# Altium PCB AMC_Box_Mainboard.PcbDoc (part 7 of 8)
Units mil, origin at the board's own origin, x right, y up, seen from the top; angles counter-clockwise.
Board outline 2795.28 x 7874.02 mil, 4 copper layers (TOP, GND, PWR, BTM), stack 63.701 mil thick; 505 components, 378 nets, 1991 pads, 997 vias.
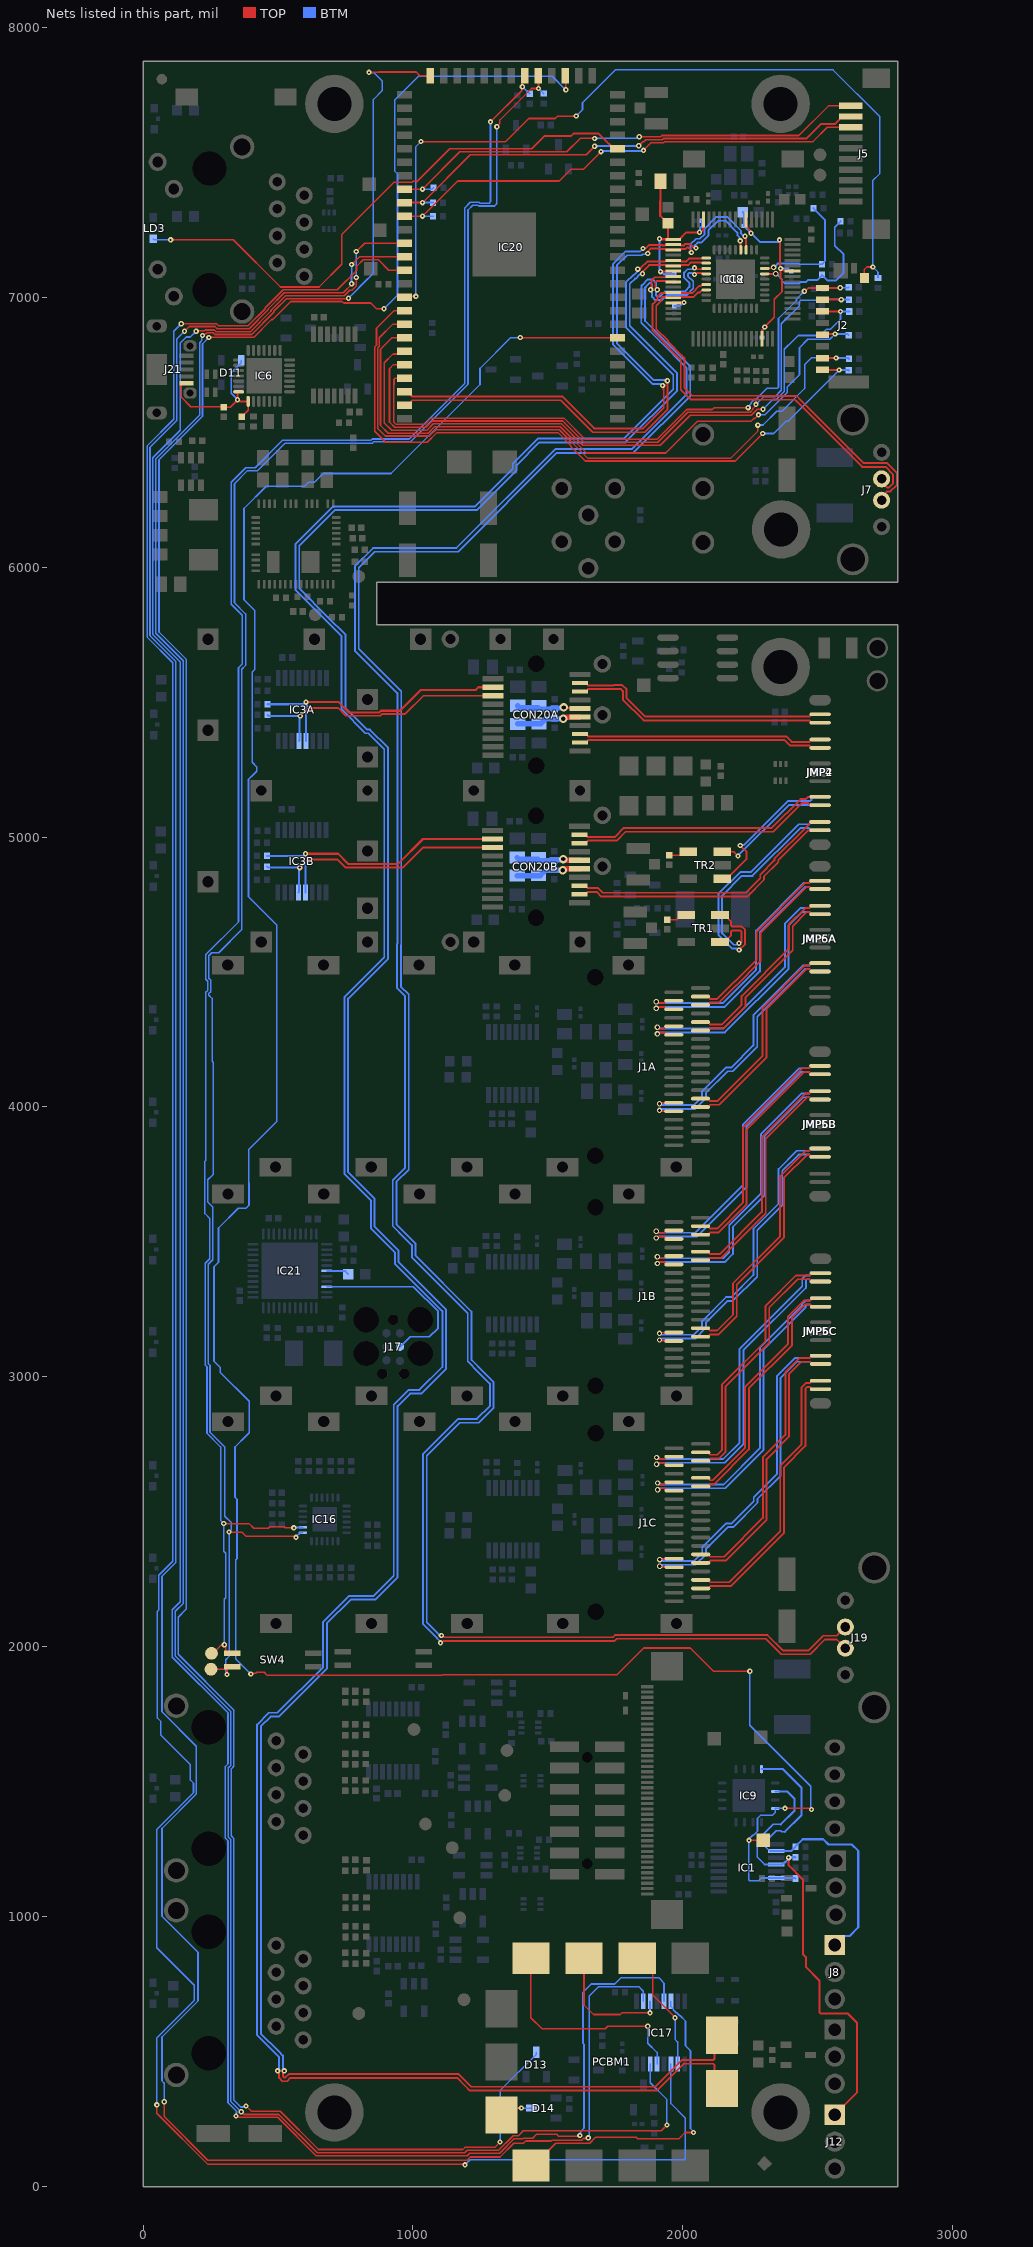
[diagram p9: the nets of this part, all layers, seen from the top]

## Via types
v1: diameter 19.68, hole 7.87, TOP to BTM, tented both sides, 751 vias
v2: diameter 20.08, hole 11.81, TOP to BTM, tented both sides, 162 vias
v3: diameter 19.68, hole 7.87, TOP to BTM, 43 vias
v4: diameter 31.5, hole 15.75, TOP to BTM, tented both sides, 36 vias
v5: diameter 25.98, hole 12.99, TOP to BTM, tented both sides, 4 vias
v6: diameter 50, hole 28, TOP to BTM, tented both sides, 1 vias

## Nets (pads, with @x,y where several pads share a name; then routed paths per layer and width w, separated by ;. In a path a pad name is that pad's centre, name@x,y a point inside that pad or via, vN(x,y) a via of type N, cw(c..) or ccw(c..) an arc to the next point about the centre after c; other vN are vias at no path point) (continued)
RX2C_N: J1C.21 JMP6C.2 | length 1022.7
  TOP w7: J1C.21@2066.14,2216.54 2093.43,2216.54 2102.18,2225.28 2178.04,2225.28 2374.94,2422.18 2374.94,2665.59 2454.02,2744.67 2454.02,2956 2461.14,2963.12 2469.69,2963.12 2478.24,2954.56 JMP6C.2@2509.66,2954.56
RX2C_P: J1C.22 JMP6C.3 | length 1022.7
  TOP w7: J1C.22@2066.14,2248.03 2093.43,2248.03 2102.18,2239.28 2172.24,2239.28 2360.94,2427.98 2360.94,2671.39 2440.02,2750.47 2440.02,2961.8 2455.34,2977.12 2469.69,2977.12 2478.24,2985.67 JMP6C.3@2509.66,2985.67
RX3A_N: J1A.15 JMP5A.11 | length 947.2
  TOP w7: v2(1913.39,3987.36) 1915.44,3985.32 1965.1,3985.32 J1A.15@1966.4,3984.02
  BTM w7: v2(1913.39,3987.36) 1916.93,3987.36 1922.33,3992.77 2045.79,3992.77 2085.09,4032.06 2085.09,4051.86 2165.49,4132.26 2185.29,4132.26 2275.59,4222.57 2275.59,4334.65 2451.46,4510.52 2468.77,4510.52 2477.32,4501.97 JMP5A.11@2508.74,4501.97
RX3A_P: J1A.14 JMP5A.10 | length 947.2
  TOP w7: v2(1913.39,4012.17) 1915.44,4014.22 1965.1,4014.22 J1A.14@1966.4,4015.51
  BTM w7: v2(1913.39,4012.17) 1916.93,4012.17 1922.33,4006.77 2039.99,4006.77 2071.09,4037.86 2071.09,4057.66 2159.69,4146.26 2179.49,4146.26 2261.59,4228.36 2261.59,4340.44 2445.67,4524.52 2468.77,4524.52 2477.32,4533.07 JMP5A.10@2508.74,4533.07
RX3B_N: J1B.15 JMP5B.11 | length 1123.9
  TOP w7: v2(1913.5,3136.66) 1915.55,3134.61 1965.22,3134.61 J1B.15@1966.52,3133.31
  BTM w7: v2(1913.5,3136.66) 1917.04,3136.66 1922.44,3142.06 2045.91,3142.06 2085.2,3181.35 2085.2,3201.15 2165.61,3281.55 2185.41,3281.55 2275.71,3371.86 2275.71,3543.42 2368.33,3636.05 2368.33,3763.78 2428.46,3823.91 2467.9,3823.91 2476.45,3815.35 JMP5B.11@2507.87,3815.35
RX3B_P: J1B.14 JMP5B.10 | length 1123.9
  TOP w7: v2(1913.5,3161.46) 1915.55,3163.51 1965.22,3163.51 J1B.14@1966.52,3164.81
  BTM w7: v2(1913.5,3161.46) 1917.04,3161.46 1922.44,3156.06 2040.11,3156.06 2071.2,3187.15 2071.2,3206.95 2159.81,3295.55 2179.61,3295.55 2261.71,3377.66 2261.71,3549.22 2354.33,3641.85 2354.33,3769.58 2422.66,3837.91 2467.9,3837.91 2476.45,3846.46 JMP5B.10@2507.87,3846.46
RX3C_N: J1C.15 JMP5C.11 | length 1199.4
  TOP w7: v2(1914.31,2298.62) 1916.36,2296.57 1966.03,2296.57 J1C.15@1967.33,2295.28
  BTM w7: v2(1914.31,2298.62) 1917.85,2298.62 1923.25,2304.02 2046.72,2304.02 2086.01,2343.32 2086.01,2363.12 2166.41,2443.52 2186.21,2443.52 2276.51,2533.82 2276.51,2548.05 2362.2,2633.74 2362.2,2996.06 2422.56,3056.42 2469.69,3056.42 2478.24,3047.87 JMP5C.11@2509.66,3047.87
RX3C_P: J1C.14 JMP5C.10 | length 1199.4
  TOP w7: v2(1914.31,2323.43) 1916.36,2325.47 1966.03,2325.47 J1C.14@1967.33,2326.77
  BTM w7: v2(1914.31,2323.43) 1917.85,2323.43 1923.25,2318.02 2040.92,2318.02 2072.01,2349.12 2072.01,2368.92 2160.61,2457.52 2180.41,2457.52 2262.51,2539.62 2262.51,2553.85 2348.2,2639.54 2348.2,3001.86 2416.77,3070.42 2469.69,3070.42 2478.24,3078.97 JMP5C.10@2509.66,3078.97
RX4A_N: J1A.24 JMP6A.4 | length 762.6
  TOP w7: J1A.24@2065.22,3999.77 2092.51,3999.77 2101.25,4008.51 2134.5,4008.51 2309.28,4183.29 2309.28,4362.2 2457.59,4510.52 2467.9,4510.52 2476.45,4501.97 JMP6A.4@2507.87,4501.97
RX4A_P: J1A.25 JMP6A.5 | length 762.6
  TOP w7: J1A.25@2065.22,4031.26 2092.51,4031.26 2101.25,4022.51 2128.7,4022.51 2295.28,4189.09 2295.28,4368 2451.79,4524.52 2467.9,4524.52 2476.45,4533.07 JMP6A.5@2507.87,4533.07
RX4B_N: J1B.24 JMP6B.4 | length 924.6
  TOP w7: J1B.24@2065.34,3149.06 2092.62,3149.06 2101.37,3157.8 2132.29,3157.8 2199.75,3225.26 2199.75,3341.37 2374.02,3515.63 2374.02,3737.7 2460.22,3823.91 2468.77,3823.91 2477.32,3815.35 JMP6B.4@2508.74,3815.35
RX4B_P: J1B.25 JMP6B.5 | length 924.6
  TOP w7: J1B.25@2065.34,3180.55 2092.62,3180.55 2101.37,3171.8 2126.5,3171.8 2185.75,3231.06 2185.75,3347.16 2360.02,3521.43 2360.02,3743.5 2454.42,3837.91 2468.77,3837.91 2477.32,3846.46 JMP6B.5@2508.74,3846.46
RX4C_N: J1C.24 JMP6C.4 | length 1024.2
  TOP w7: J1C.24@2066.14,2311.02 2093.43,2311.02 2102.18,2319.77 2158.35,2319.77 2310.2,2471.62 2310.2,2695.91 2393.7,2779.41 2393.7,3011.81 2438.31,3056.42 2470.56,3056.42 2479.11,3047.87 JMP6C.4@2510.53,3047.87
RX4C_P: J1C.25 JMP6C.5 | length 1024.2
  TOP w7: J1C.25@2066.14,2342.52 2093.43,2342.52 2102.18,2333.77 2152.56,2333.77 2296.2,2477.42 2296.2,2701.71 2379.7,2785.21 2379.7,3017.61 2432.51,3070.42 2470.56,3070.42 2479.11,3078.97 JMP6C.5@2510.53,3078.97
RXA_N: CON20A.12 JMP2.10 | length 905.3
  TOP w7: CON20A.12@1619.09,5350.2 1640.75,5350.2 1645.12,5354.57 1645.12,5354.84 1649.22,5358.94 2377.28,5358.94 2397.35,5338.87 2468.77,5338.87 2477.32,5330.31 JMP2.10@2508.74,5330.31
RXA_P: CON20A.13 JMP2.11 | length 905.3
  TOP w7: CON20A.13@1619.09,5381.69 1640.75,5381.69 1645.12,5377.32 1645.12,5377.05 1649.22,5372.94 2383.07,5372.94 2403.15,5352.87 2468.77,5352.87 2477.32,5361.42 JMP2.11@2508.74,5361.42
RXB_N: CON20B.12 JMP2.2 | length 1014.1
  TOP w7: CON20B.12@1617.32,4788.23 1638.98,4788.23 1643.35,4792.6 1643.35,4792.88 1647.45,4796.98 1680.19,4796.98 1697.63,4779.53 2238.08,4779.53 2300.6,4842.04 2300.6,4854.88 2353.21,4907.49 2353.21,4913.29 2464.76,5024.84 2507.83,5024.84 JMP2.2@2507.87,5024.8
RXB_P: CON20B.13 JMP2.3 | length 1021.2
  TOP w7: CON20B.13@1617.32,4819.72 1638.98,4819.72 1643.35,4815.35 1643.35,4815.08 1647.45,4810.98 1685.98,4810.98 1703.43,4793.53 2232.28,4793.53 2286.6,4847.84 2286.6,4860.68 2339.21,4913.29 2339.21,4919.09 2458.96,5038.84 2459.39,5038.84 2476.45,5055.91 JMP2.3@2507.87,5055.91
SCK: IC21.9 J17.3 | length 681.4
  BTM w7: IC21.9@680.81,3333.94 1002.06,3333.94 1093,3243 1093,3181 1061,3149 989.2,3149 952.2,3112 J17.3@952,3112
SCL: IC16.19 IC20.4 R59.1 SW4.4 TP18.1 | length 7348.6
  TOP w6: TP18.1@252,1917 252.32,1917.32 301.97,1917.32 311.02,1926.38 SW4.4@318.85,1926.38 ; v1(311.02,1897.64) 311.02,1918.55 SW4.4@318.85,1926.38 ; v1(318.9,2425.2) 366.14,2425.2 381.89,2409.45 562.99,2409.45 v1(566.93,2405.51) ; SW4.4@330.71,1926.38 SW4.4@318.85,1926.38 ; v1(1311.02,7631.57) 1311.02,7633.62 1322.28,7644.88 1322.28,7656.44 1438.98,7773.15 v1(1465.04,7773.15) 1465.04,7818.86 IC20.4@1463.5,7820.39
  BTM w6: v1(311.02,1897.64) 307.09,1901.57 307.09,1952.76 318.9,1964.57 v1(318.9,2425.2) 326.77,2433.07 326.77,2460.63 303.15,2484.25 303.15,2740.16 248.03,2795.28 248.03,3042.47 241.55,3048.95 241.55,3417.05 258.4,3433.9 258.4,3629.85 240.16,3648.09 240.16,3730.31 259.84,3750 259.84,4165.35 255.91,4169.29 255.91,4401.9 243.68,4414.12 243.68,4420.52 250.53,4427.37 250.53,4470.53 243.68,4477.37 243.68,4560.22 255.12,4571.65 280.31,4571.65 366.14,4657.48 366.14,5621.97 380.08,5635.91 380.08,5826.48 338.78,5867.78 338.78,6309.03 387.49,6357.74 424.67,6357.74 525.8,6458.87 848.89,6458.87 853.96,6463.94 990.44,6463.94 1203.92,6677.41 1203.92,7322.94 1221.97,7340.99 1240.49,7340.99 1243.76,7337.72 1302.29,7337.72 1311.02,7346.46 v1(1311.02,7631.57) ; v1(566.93,2405.51) 566.93,2407.42 582.73,2423.23 IC16.19@592.52,2423.23 ; v1@1464.63,7773.56 1483.46,7754.72 R59.1@1484.25,7754.72
SD_CLK: IC20.26 J2.5 R5.2 | length 2488.5
  TOP w6: IC20.26@968.5,6850.39 923.39,6850.39 880,6807 880,6525 908.5,6496.5 1056.71,6496.5 1080.22,6520 1546.17,6520 1643.16,6423.01 1937.09,6423.01 2054.48,6540.4 2252.4,6540.4 2262.55,6550.55 2266.41,6550.55 v1(2279.93,6564.07)
  TOP w7: J2.5@2517,6861 2520,6864 v1(2564,6864)
  BTM w6: v1(2279.93,6564.07) 2303.92,6564.07 2386.43,6646.58 2386.43,6667.28 2432,6712.84 2432,6813 2463,6844 2544,6844 v1(2564,6864)
  BTM w7: v1(2564,6864) 2609.5,6864 R5.2@2614.5,6859
SD_CMD: IC20.27 J2.3 R4.2 | length 2471.7
  TOP w6: IC20.27@968.5,6800.39 957.5,6789.39 926.39,6789.39 894.26,6757.26 894.26,6534.24 921.28,6507.22 1052.27,6507.22 1075.78,6530.72 1550.61,6530.72 1629.65,6451.68 1916.36,6451.68 2027.39,6562.71 2253.72,6562.71 2276.01,6585 v1(2297,6585)
  TOP w8: J2.3@2517,6947.61 2517.31,6947.31 2583.69,6947.31 v1(2584,6947)
  BTM w6: v1(2297,6585) 2333.05,6621.05 2345.74,6621.05 2375.71,6651.02 2375.71,6806.96 2407.75,6839 2408,6839 2427,6858 2509,6858 2532,6881 2546.84,6881 2584,6918.16 v1(2584,6947)
  BTM w8: v1(2584,6947) R4.2@2616.5,6947
SD_DAT0: IC20.25 J2.7 R113.2 | length 2535
  TOP w6: IC20.25@968.5,6900.39 926.39,6900.39 875.72,6849.72 875.72,6817.89 869.28,6811.44 869.28,6513.72 897.23,6485.77 1061.16,6485.77 1084.66,6509.28 1541.72,6509.28 1647,6404 2178,6404 2278,6504 v1(2278,6526)
  TOP w8: J2.7@2517,6774.39 2517.31,6774.69 2567.69,6774.69 v1(2568,6775)
  BTM w6: v1(2278,6526) 2278.49,6526.49 2296.84,6526.49 2348.35,6578 2367.54,6578 2451,6661.46 2451,6750 2476,6775 v1(2568,6775)
  BTM w8: v1(2568,6775) 2612.99,6775 R113.2@2615.99,6772
SD_DAT1: IC20.24 J2.8 R114.2 | length 2550.4
  TOP w6: IC20.24@968.5,6950.39 930.39,6950.39 865,6885 865,6822.33 858.55,6815.88 858.55,6503.45 899,6463 1053.55,6463 1089.1,6498.55 1537.28,6498.55 1584.92,6450.92 1584.92,6447.08 1638.72,6393.28 2194.28,6393.28 v1(2296,6495)
  TOP w8: J2.8@2517,6731.08 2517.54,6730.54 2578.46,6730.54 v1(2579,6730)
  BTM w6: v1(2296,6495) 2337,6495 2383,6541 2390,6541 v1(2579,6730)
  BTM w8: v1(2579,6730) 2613.5,6730 R114.2@2614.5,6729
SD_DAT2: IC20.29 J2.1 R2.2 | length 2320.8
  TOP w6: IC20.29@968.5,6700.39 934.39,6700.39 930,6696 930,6675.89 929.61,6675.5 929.61,6536.37 937.3,6528.67 1043.39,6528.67 1066.89,6552.17 1559.49,6552.17 1638.54,6473.13 1902.96,6473.13 2013.99,6584.16 2109.16,6584.16 2116,6591 v1(2242,6591) ; v1(2450,7022) 2452.19,7022 2464.42,7034.23 J2.1@2517,7034.23 2580.23,7034.23 2581,7035 v1(2583,7035)
  BTM w6: v1(2242,6591) 2242,6594.7 2253.43,6606.14 2253.43,6610.28 2264.16,6621 2270,6621 2312.37,6663.37 2350.75,6663.37 2354.26,6666.89 2354.26,6921.26 2421,6988 2421,6993 v1(2450,7022) ; v1(2583,7035) 2612.5,7035 R2.2@2614.5,7037
SD_DAT3: IC20.28 J2.2 R3.2 | length 2459.9
  TOP w6: IC20.28@968.5,6750.39 928.39,6750.39 913,6735 913,6537.81 932.86,6517.94 1047.83,6517.94 1071.33,6541.45 1555.05,6541.45 1634.1,6462.4 1907.4,6462.4 2018.43,6573.43 2249.28,6573.43 2259.57,6583.72 2259.57,6587.86 2271,6599.3 v1(2271,6603)
  TOP w8: J2.2@2517,6990.92 2517.04,6990.96 v1(2587,6991) ; v1(2587,6991) v1(2587,6991)
  BTM w6: v1(2271,6603) 2300.27,6632.27 2341.79,6632.27 2364.98,6655.47 2364.98,6901.64 2431.72,6968.38 2431.72,6983.72 2436.43,6988.43 2495.43,6988.43 2499,6992 2586,6992 v1(2587,6991)
  BTM w8: v1(2587,6991) R3.2@2615.5,6991
SD_DET: IC20.23 J2.G4 R115.2 | length 3205.5
  TOP w6: IC20.23@968.5,7000.39 971.11,7003 v1(1011,7003) ; v1(1030,7577) 1030.43,7576.57 1343.57,7576.57 1429,7662 1527.65,7662 1536.65,7671 v1(1605,7671) ; J2.G4@2672.51,7070.65 2672.51,7102.51 2682,7112 v1(2704,7112)
  BTM w6: v1(1011,7003) 1011,7558 v1(1030,7577) ; v1(1605,7671) 1628,7694 1628,7720.31 1749.69,7842 2556,7842 2730,7668 2730,7458 2704,7432 v1(2704,7112) 2723,7093 R115.2@2723,7071.5
SDA: IC16.20 IC20.5 R60.1 SW4.3 TP17.1 | length 7191
  TOP w6: TP17.1@254,1976 258.81,1976 288.07,2005.26 298.71,2005.26 v1(301.33,2007.87) ; v1(299.21,2456.69) 392.55,2456.69 410.32,2438.93 463.69,2438.93 469.73,2444.98 523.11,2444.98 527.14,2440.94 v1(559.06,2440.94) ; v1@301.33,2005.43 304.64,2005.43 307.09,2007.87 307.09,2005.43 307.09,1984.2 314.91,1976.38 SW4.3@330.71,1976.38 ; v1(1287.4,7649.61) 1402.89,7765.1 1402.89,7776.91 v1(1405.51,7779.53) 1405.51,7812.4 IC20.5@1413.5,7820.39
  BTM w6: v1(301.33,2007.87) 301.33,2176.14 307.09,2181.9 307.09,2346.46 299.21,2354.33 v1(299.21,2456.69) 287.4,2468.5 287.4,2740.74 237.31,2790.83 237.31,3038.03 230.83,3044.51 230.83,3421.49 247.68,3438.34 247.68,3587.03 229.43,3605.27 229.43,3799.15 232.96,3802.68 232.96,4409.68 232.96,4424.96 239.8,4431.81 239.8,4466.08 232.96,4472.93 232.96,4564.66 353.98,4685.68 353.98,5627.01 367.92,5640.95 367.92,5821.44 326.62,5862.74 326.62,6314.07 381.02,6368.46 415.71,6368.46 516.83,6469.59 844.45,6469.59 849.52,6474.66 986,6474.66 1192.61,6681.27 1192.61,7331.86 1212.47,7351.72 1244.93,7351.72 1248.2,7348.45 1282.45,7348.45 1287.4,7353.4 v1(1287.4,7649.61) ; v1(559.06,2440.94) 560.29,2442.18 591.78,2442.18 IC16.20@592.52,2442.91 ; v1(1405.51,7779.53) 1406.3,7779.53 1432.28,7753.54 R60.1@1433.07,7753.54
SFG_SEL0: IC8.24 R75.1 R98.1 | length 556.7
  TOP w7: IC8.24@2303.15,7086.61 v2(2343.94,7086.61)
  BTM w7: v2(2343.94,7086.61) 2346.26,7086.61 2367.28,7065.59 2367.28,7061.86 2377.72,7051.41 2431.5,7051.41 2436.85,7056.77 2456.33,7056.77 2463.22,7063.65 2497.51,7063.65 R98.1@2515.75,7081.89 ; R98.1@2515.75,7082.68 R98.1@2515.75,7081.89 ; R75.1@2584.5,7282 2584.5,7281.21 2562.85,7259.57 2562.85,7191.32 2595.63,7158.55 2595.63,7090.29 2567.58,7062.25 2535.39,7062.25 R98.1@2515.75,7081.89
SFG_SEL1: IC8.25 R77.1 R99.1 | length 450.8
  TOP w7: IC8.25@2303.15,7106.3 2303.92,7107.07 2329.64,7107.07 2332.8,7110.22 v2(2336.33,7110.22)
  BTM w7: v2(2336.33,7110.22) 2337.09,7110.22 2351.24,7124.37 2430.12,7124.37 2432.44,7122.05 R99.1@2515.75,7122.05 2515.75,7122.83 2526,7133.09 2526,7286.71 2483.5,7329.21 R77.1@2483.5,7330
SFP1_TX0_N: CON20A.19 JMP2.13 | length 964.2
  TOP w7: CON20A.19@1619.09,5570.67 1640.75,5570.67 1645.12,5566.3 1645.12,5566.02 1649.22,5561.92 1744.09,5561.92 ; 1744.09,5563.02 1775.57,5563.02 1791.78,5546.81 1791.78,5514.59 1860.2,5446.17 2468.77,5446.17 2477.32,5454.72 JMP2.13@2508.74,5454.72
SFP1_TX0_P: CON20A.18 JMP2.12 | length 964.2
  TOP w7: CON20A.18@1619.09,5539.17 1640.75,5539.17 1645.12,5543.55 1645.12,5543.82 1649.22,5547.92 1744.09,5547.92 ; 1744.09,5549.02 1769.77,5549.02 1777.78,5541.01 1777.78,5508.79 1854.4,5432.17 2468.77,5432.17 2477.32,5423.62 JMP2.12@2508.74,5423.62
SFP2_TX1_N: CON20B.19 JMP2.5 | length 954.9
  TOP w7: CON20B.19@1617.32,5008.7 1638.98,5008.7 1643.35,5004.33 1643.35,5004.05 1647.45,4999.95 ; 1649.22,5000.9 1748.93,5000.9 1781.72,5033.69 2328.96,5033.69 2435.94,5140.66 2455.37,5140.66 2462.62,5147.92 2507.44,5147.92 JMP2.5@2508.74,5149.21
SFP2_TX1_P: CON20B.18 JMP2.4 | length 954.9
  TOP w7: CON20B.18@1617.32,4977.2 1638.98,4977.2 1643.35,4981.58 1643.35,4981.85 1647.45,4985.95 ; 1649.22,4986.9 1754.73,4986.9 1787.52,5019.69 2334.76,5019.69 2441.74,5126.66 2462.34,5126.66 2469.59,5119.41 2507.44,5119.41 JMP2.4@2508.74,5118.11
SFP_VCCRA: C45A.1 C46A.1 CON20A.15 FB5A.2 | length 241.9
  TOP w20: v4(1556.51,5438.68) 1559.62,5438.68 1565.47,5444.53 1618.94,5444.53 CON20A.15@1619.09,5444.69
  BTM w20: FB5A.2@1387.8,5419.29 C45A.1@1466.54,5419.29 1473.43,5419.29 1492.87,5438.74 1556.45,5438.74 v4(1556.51,5438.68)
SFP_VCCRB: C45B.1 C46B.1 CON20B.15 FB5B.2 | length 241.9
  TOP w20: v4(1554.74,4876.71) 1557.85,4876.71 1563.7,4882.56 1617.17,4882.56 CON20B.15@1617.32,4882.72
  BTM w20: FB5B.2@1386.02,4857.32 C45B.1@1464.76,4857.32 1471.65,4857.32 1491.1,4876.77 1554.68,4876.77 v4(1554.74,4876.71)
SFP_VCCTA: C51A.1 C52A.1 CON20A.16 FB6A.2 | length 341.3
  TOP w7.87: v4(1559.06,5480.32) 1561.12,5478.25 1617.03,5478.25 CON20A.16@1619.09,5476.18
  BTM w7.87: FB6A.2@1387.8,5486.22 C51A.1@1466.54,5486.22 C51A.1@1478.35,5474.41 ; v4@1559.06,5474.8 v4(1559.06,5480.32)
  BTM w20: FB6A.2@1387.8,5486.22 1399.61,5474.41 1478.35,5474.41 1510.04,5474.41 1513.74,5478.12 1556.86,5478.12 v4(1559.06,5480.32)
SFP_VCCTB: C51B.1 C52B.1 CON20B.16 FB6B.2 | length 341.3
  TOP w20: v4(1557.28,4918.35) 1560.39,4918.35 1564.37,4914.37 1617.17,4914.37 CON20B.16@1617.32,4914.21
  BTM w7.87: FB6B.2@1386.02,4924.25 C51B.1@1464.76,4924.25 C51B.1@1476.57,4912.44 ; v4@1557.28,4912.83 v4(1557.28,4918.35)
  BTM w20: FB6B.2@1386.02,4924.25 1397.83,4912.44 1476.57,4912.44 1508.27,4912.44 1511.97,4916.15 1555.08,4916.15 v4(1557.28,4918.35)
SLED: IC20.46 LD3.2 | length 2118.4
  TOP w6: v1(102.36,7212.6) 334.65,7212.6 509.37,7037.87 569.45,7037.87 569.58,7037.75 613.49,7037.75 613.62,7037.87 652.05,7037.87 736.22,7122.05 736.22,7232.28 929.13,7425.2 996.23,7425.2 1000.17,7429.13 1015.75,7429.13
  TOP w7: 1015.75,7429.13 1136.62,7550.01 1439.65,7550.01 1486.57,7596.93 1585.48,7596.93 1594.85,7606.3 1687.72,7606.3 1725.98,7568.03 1726.87,7568.03 1744.5,7550.39 IC20.46@1758.5,7550.39
  BTM w6: LD3.2@37.4,7216.54 41.34,7212.6 v1(102.36,7212.6)
SMA_CLKA_N: JMP4.12 TR1.1 | length 946.9
  TOP w7: TR1.1@2137.6,4711.42 2155.12,4711.42 2178.3,4688.23 2178.3,4672.52 2182.4,4668.42 2218.23,4668.42 2230.54,4656.12 2230.54,4603.49 2208.93,4581.89 v1(2208.66,4581.89)
  BTM w7: v1(2208.66,4581.89) 2205.23,4581.89 2200.05,4587.07 2182.15,4587.07 2131.67,4637.55 2131.67,4789.26 2212.48,4870.08 2251.97,4870.08 2429.24,5047.35 2467.9,5047.35 2476.45,5055.91 JMP4.12@2507.87,5055.91
SMA_CLKA_P: JMP4.13 TR1.3 | length 848.9
  TOP w7: TR1.3@2137.6,4611.42 2155.12,4611.42 2178.3,4634.6 2178.3,4650.32 2182.4,4654.42 2212.43,4654.42 2216.54,4650.32 2216.54,4610.9 2215.82,4610.9 2211.72,4606.8 v1(2208.29,4606.8)
  BTM w7: v1(2208.29,4606.8) 2204.86,4606.8 2199.13,4601.07 2187.95,4601.07 2145.67,4643.35 2145.67,4783.46 2218.28,4856.08 2257.77,4856.08 2435.04,5033.35 2467.9,5033.35 2476.45,5024.8 JMP4.13@2507.87,5024.8
SMA_CLKB_N: JMP4.10 TR2.3 | length 555.4
  TOP w7: TR2.3@2145.28,4845.67 2162.8,4845.67 2236.22,4919.09 2236.22,4944.88 v1(2212.6,4968.5)
  BTM w7: v1(2212.6,4968.5) 2214.08,4969.98 2225.89,4969.98 2389.76,5133.86 2471.95,5133.86 2476.05,5137.96 2476.05,5146.08 2479.19,5149.21 JMP4.10@2507.87,5149.21
SMA_CLKB_P: JMP4.11 TR2.1 | length 447.1
  TOP w7: TR2.1@2145.28,4945.67 2188.19,4945.67 v1(2203.96,4929.9)
  BTM w7: v1(2203.96,4929.9) 2392.17,5118.11 JMP4.11@2507.87,5118.11
SMAC_CLKA1: C82.1 TR1.6 | length 78.2
  TOP w7: C82.1@1941.54,4693.7 1977.17,4693.7 1994.88,4711.42 TR1.6@2012.4,4711.42
SMAC_CLKB1: C5.1 TR2.6 | length 76.5
  TOP w6: C5.1@1948.82,4933.07 1989.96,4933.07 2002.56,4945.67 TR2.6@2020.08,4945.67
SOM_TCK: IC17.11 IC20.21 | length 10349.8
  TOP w6: v1(51.18,303.15) 51.18,272.24 240.74,82.68 1191.09,82.68 v1(1192.91,80.86) ; v1(141.73,6901.57) 142.46,6902.31 271.07,6902.31 279.41,6893.97 389.2,6893.97 452.7,6957.47 452.7,6960.8 519.06,7027.15 565.01,7027.15 565.14,7027.02 619.19,7027.02 619.31,7027.15 719.31,7027.15 792.55,7100.39 792.55,7115.47 815.8,7138.72 872.2,7138.72 910.53,7100.39 IC20.21@968.5,7100.39
  BTM w6: v1(51.18,303.15) 51.18,550.95 190.25,690.03 190.25,746 51.18,885.07 51.18,1323.32 187,1459.14 187,1495.28 175.72,1506.55 175.72,1563.56 66.38,1672.9 66.38,1723.5 53.35,1736.52 53.35,2132.39 57.86,2136.9 57.86,2264.87 110.24,2317.25 110.24,5645.67 15.07,5740.83 15.07,6448.78 114.28,6547.99 114.28,6874.12 v1(141.73,6901.57) ; v1(1192.91,80.86) 1212.3,100.24 2005.45,100.24 2008.96,103.76 2008.96,254.82 1955.71,308.07 IC17.11@1955.71,454.72
SOM_TDI: IC17.2 IC20.20 | length 10385.1
  TOP w6: v1(78.74,314.96) 78.74,259.84 240.16,98.43 1200.79,98.43 1212.6,110.24 1322.83,110.24 1374.02,161.42 1409.45,161.42 1417.32,169.29 1512.61,169.29 1515.46,172.14 1625.76,172.14 1632.1,178.48 1646.99,178.48 v1(1649.61,181.1) ; v1(153.54,6874.02) 171.11,6891.58 266.63,6891.58 274.97,6883.24 393.64,6883.24 463.43,6953.03 463.43,6956.35 523.5,7016.43 560.57,7016.43 560.7,7016.3 623.63,7016.3 623.76,7016.43 741.42,7016.43 v1@774,7049 ; v1(773,7121) 802.39,7150.39 IC20.20@968.5,7150.39
  BTM w6: v1(78.74,314.96) 78.74,383.51 70.23,392.02 70.23,554.83 203.72,688.33 203.72,868.37 70.23,1001.87 70.23,1327.2 197.72,1454.69 197.72,1632.24 70.23,1759.74 70.23,2262.07 120.96,2312.81 120.96,5650.11 25.8,5745.28 25.8,6444.34 125,6543.54 125,6845.47 v1(153.54,6874.02) ; v1(773,7050) 772.43,7050.57 772.43,7085.22 773,7085.78 v1(773,7121) ; v1(1649.61,181.1) 1653.54,185.04 1653.54,706.23 1687.71,740.4 1837.5,740.4 1853.35,724.55 IC17.2@1853.35,687.01
SOM_TDO: IC17.5 IC20.19 | length 10146.7
  TOP w6: v1(196.85,6874.02) 198.67,6875.83 227.67,6875.83 230.52,6878.68 264.36,6878.68 270.52,6872.52 398.08,6872.52 474.15,6948.59 474.15,6951.91 527.94,7005.7 556.13,7005.7 556.26,7005.57 628.07,7005.57 628.2,7005.7 745.86,7005.7 766.34,7026.18 774.02,7026.18 790.57,7042.72 790.57,7072.43 v1(790,7073) ; v1(344.47,261.79) 349.26,256.99 498.91,256.99 640.65,115.26 1201.07,115.26 1210.03,124.22 1321.65,124.22 1375.83,178.4 1409.01,178.4 1410.62,180.02 1443.8,180.02 1457.78,194 1532.67,194 1539.51,187.16 1615.93,187.16 v1(1618.48,189.71) ; v1(790,7169) 821.39,7200.39 IC20.19@968.5,7200.39
  BTM w6: v1(196.85,6874.02) 175.57,6852.73 160.55,6852.73 137.8,6829.98 137.8,6506.65 36.52,6405.38 36.52,5750.51 138.15,5648.88 138.15,2167.48 108.66,2137.99 108.66,1961.83 315.01,1755.48 315.01,1566.35 305.26,1556.6 305.26,1291.22 315.01,1281.47 315.01,310.6 346.27,279.34 346.27,263.59 v1(344.47,261.79) ; v1(790,7073) 790.57,7073.57 790.57,7137.92 790,7138.48 v1(790,7169) ; v1(1618.48,189.71) 1620.73,191.96 1620.73,203.41 1633.86,216.54 1633.86,527.56 1629.92,531.5 1629.92,720.47 1660.57,751.13 1747.19,751.13 1769.54,773.47 1912.79,773.47 1923.08,763.18 1923.08,760.74 1930.12,753.7 IC17.5@1930.12,687.01
SOM_TMS: IC17.14 IC20.11 | length 10508.1
  TOP w6: v1(220.47,6858.27) 224.18,6858.27 231.02,6865.11 233.97,6865.11 236.82,6867.96 259.91,6867.96 266.08,6861.79 402.52,6861.79 484.87,6944.14 484.87,6947.47 532.38,6994.98 551.69,6994.98 551.81,6994.85 632.51,6994.85 632.64,6994.98 v1@761,6994.98 ; v1(363.84,277.71) 373.83,267.72 503.36,267.72 645.09,125.98 1192.3,125.98 1201.27,134.94 1317.21,134.94 1371.39,189.13 1390.99,189.13 1409.14,207.28 1919.41,207.28 1927.16,215.02 1927.62,215.02 v1(1940.94,228.35) ; v1(837,7833) 872,7833 873.17,7834.17 1011.97,7834.17 1025.75,7820.39 IC20.11@1063.5,7820.39
  BTM w6: v1(220.47,6858.27) 217.96,6855.75 217.96,6839.43 209.75,6831.21 209.75,6563.44 47.24,6400.94 47.24,5754.95 148.87,5653.32 148.87,2160.95 119.38,2131.46 119.38,1966.28 325.73,1759.93 325.73,1561.91 315.98,1552.16 315.98,1295.66 325.73,1285.91 325.73,315.04 363.07,277.71 v1(363.84,277.71) ; v1(761,6996) 799.13,7034.13 799.13,7034.79 832.79,7068.45 833.45,7068.45 853.6,7088.6 853.6,7732.77 887,7766.17 887,7800 855.84,7831.16 838.84,7831.16 v1(837,7833) ; IC17.14@1878.94,454.72 1878.94,384.84 1940.94,322.83 v1(1940.94,228.35)